# Altium PCB UCL-MB-802154RT-1.PcbDoc (part 3 of 3)
Units mm, origin at the board's own origin, x right, y up, seen from the top; angles counter-clockwise.
Board outline 84 x 112.5 mm, 4 copper layers (Top Layer, GND, VCC, Bottom Layer), stack 1.536 mm thick; 160 components, 166 nets, 807 pads, 398 vias.
Unrouted connection lines stored in the file: 2.
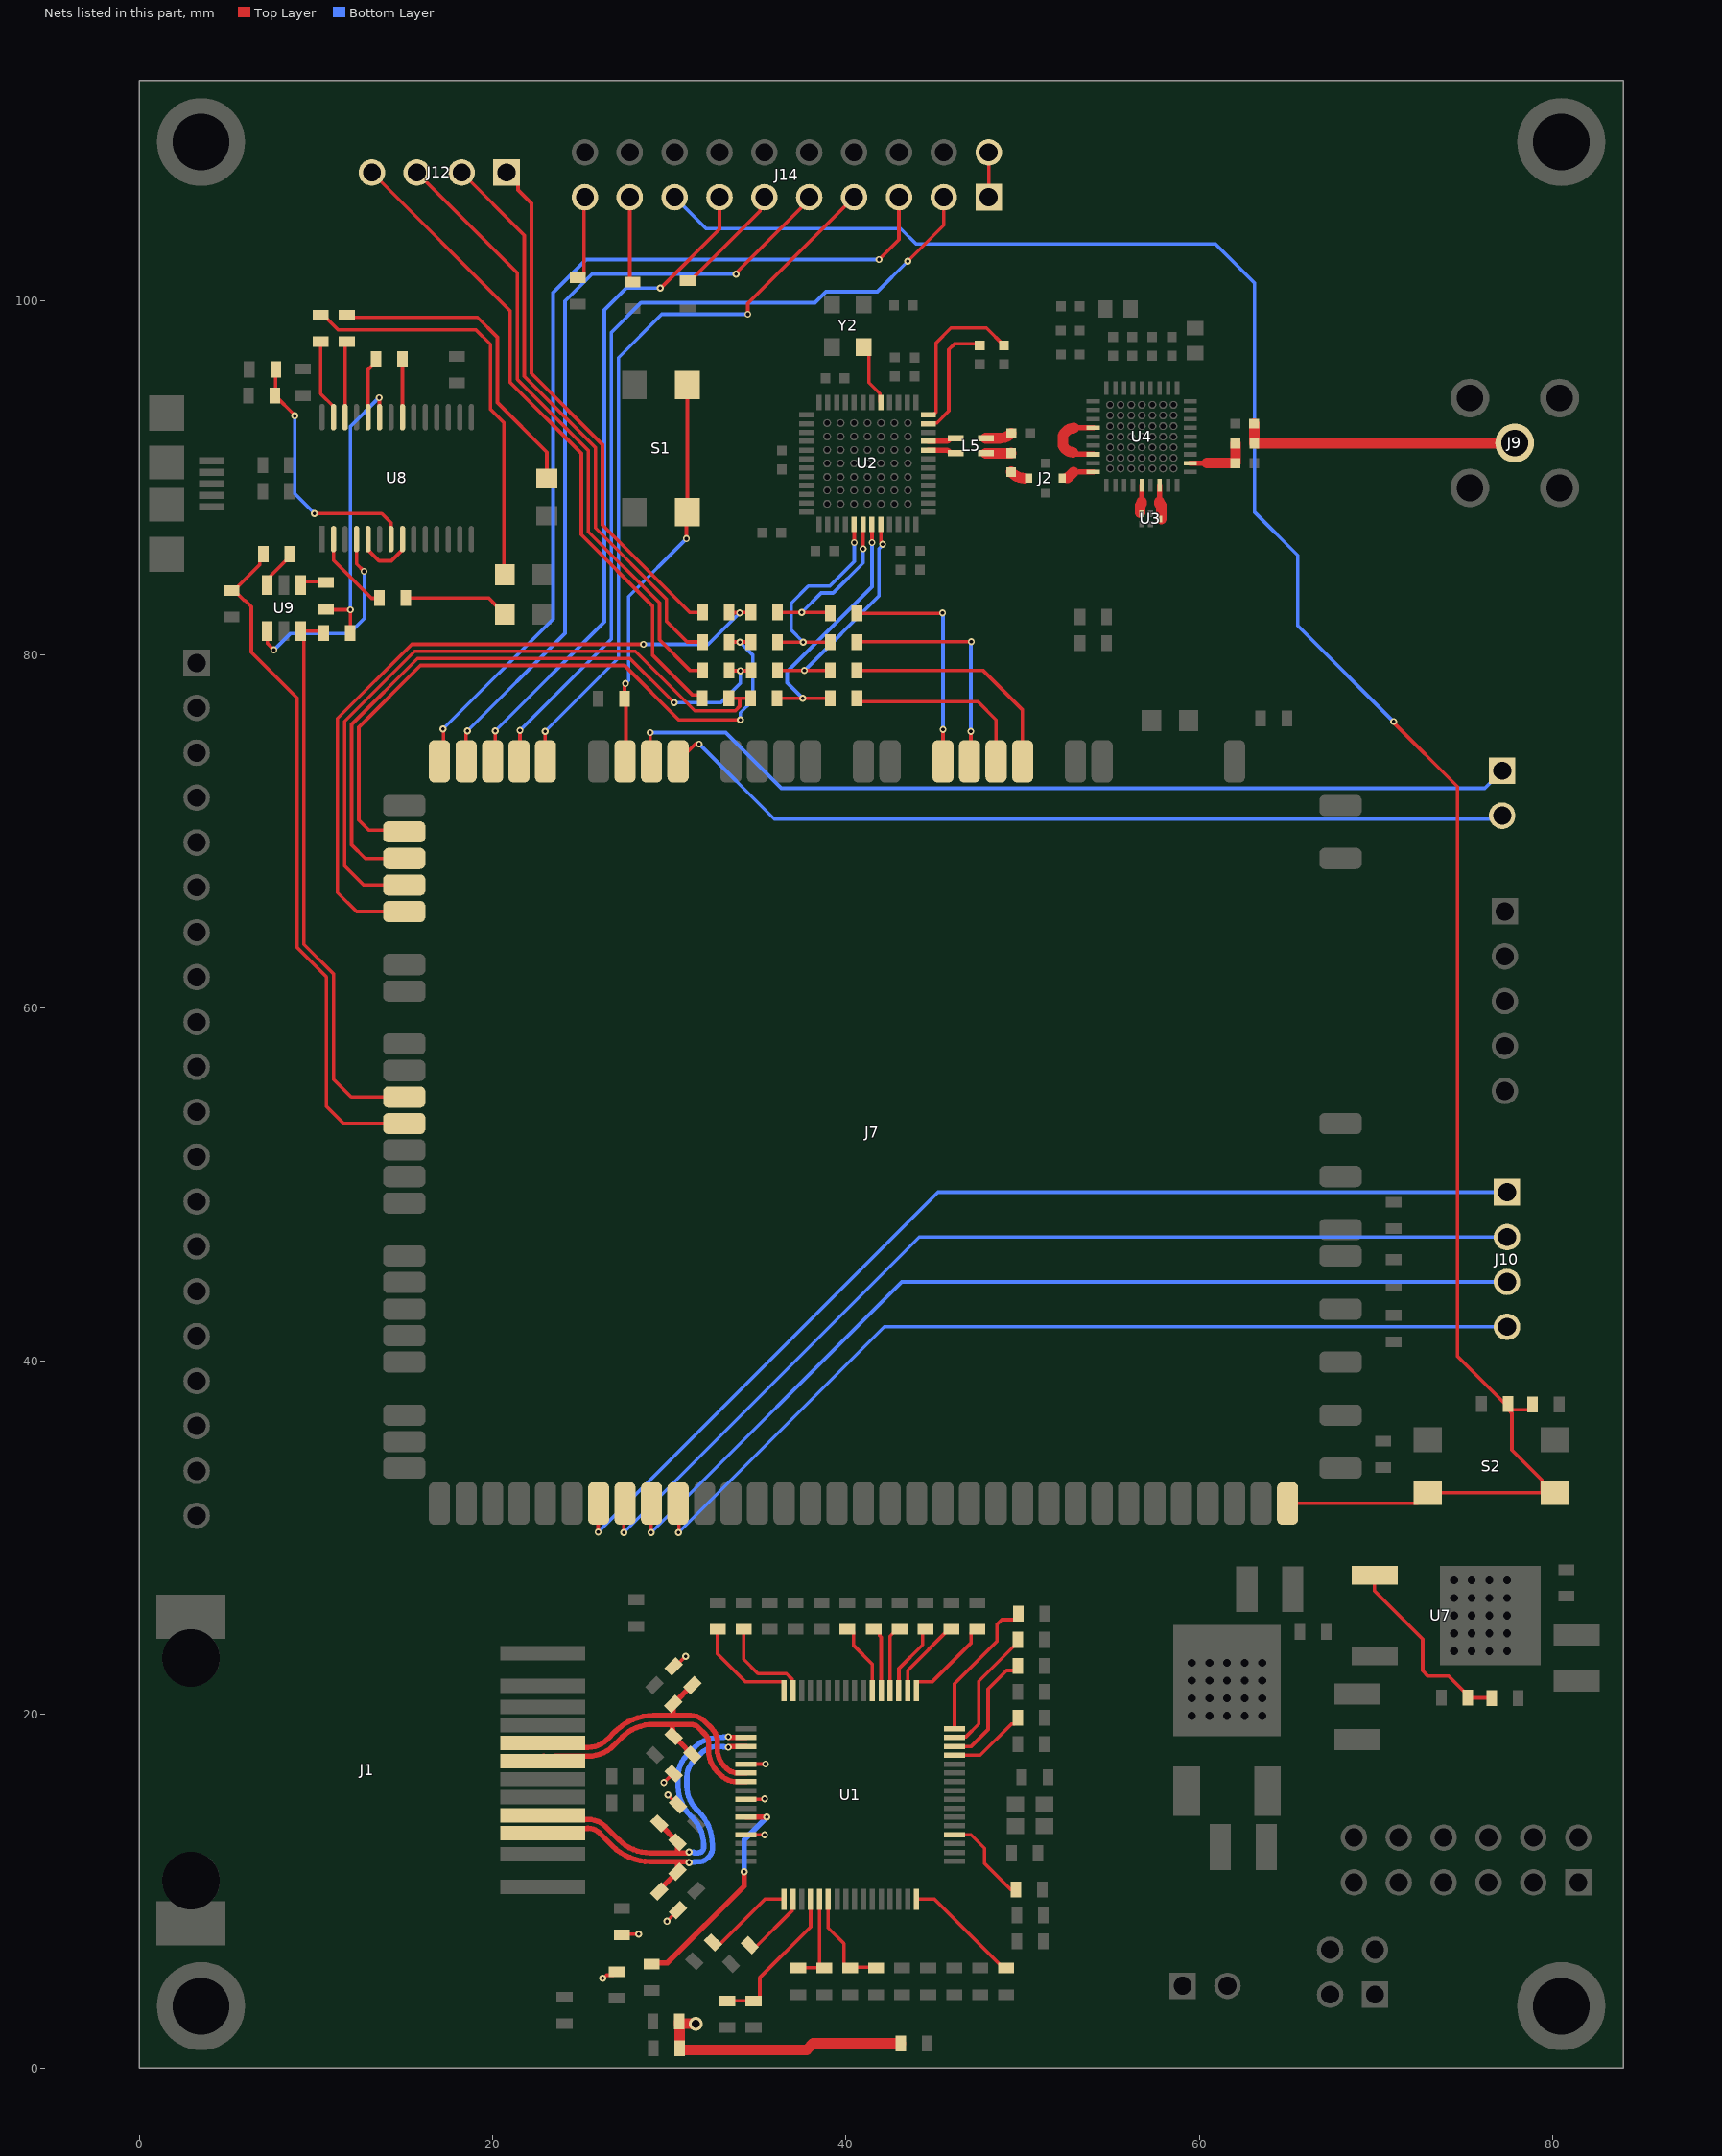
[diagram p5: the nets of this part, all layers, seen from the top]

## Via types
v1: diameter 0.4, hole 0.2, Top Layer to Bottom Layer, 225 vias
v2: diameter 0.55, hole 0.25, Top Layer to Bottom Layer, tented both sides, 133 vias
v3: diameter 0.8, hole 0.45, Top Layer to Bottom Layer, 23 vias
v4: diameter 0.8, hole 0.45, Top Layer to Bottom Layer, tented both sides, 17 vias

## Nets (pads, with @x,y where several pads share a name; then routed paths per layer and width w, separated by ;. In a path a pad name is that pad's centre, name@x,y a point inside that pad or via, vN(x,y) a via of type N, cw(c..) or ccw(c..) an arc to the next point about the centre after c; other vN are vias at no path point) (continued)
NetJ7_18: J7.18 R58.1 R62.1 | length 41.2
  Top Layer w0.2: J7.18@15,65.45 12.3,65.45 11.225,66.525 11.225,76.375 15.425,80.575 v1(28.55,80.575) ; v1(33.985,82.35) 33.41,82.35 R62.1@33.385,82.375 R58.1@34.625,82.375
  Bottom Layer w0.2: v1(28.55,80.575) 32.21,80.575 v1(33.985,82.35)
NetJ7_19: J7.19 R61.1 R65.1 | length 39.2
  Top Layer w0.2: J7.19@15,66.95 12.7,66.95 11.625,68.025 11.625,76.209 15.591,80.175 28.082,80.175 31.443,76.814 33.739,76.814 33.989,77.064 33.989,77.514 ; R65.1@33.375,77.514 33.989,77.514 ; R61.1@34.615,77.514 33.989,77.514
NetJ7_20: J7.20 R60.1 R64.1 | length 37.1
  Top Layer w0.2: J7.20@15,68.45 12.8,68.45 12.025,69.225 12.025,76.044 15.756,79.775 27.775,79.775 v1(30.275,77.275) ; R64.1@33.4,79.084 33.409,79.075 v1(34.025,79.075) 34.631,79.075 R60.1@34.64,79.084
  Bottom Layer w0.2: v1(30.275,77.275) 32.925,77.275 34.025,78.375 v1(34.025,79.075)
NetJ7_21: J7.21 R59.1 R63.1 | length 38.7
  Top Layer w0.2: J7.21@15,69.95 14.175,69.95 14.075,70.05 13,70.05 12.425,70.625 12.425,75.878 15.922,79.375 27.468,79.375 30.543,76.3 v1(34.025,76.3) ; R63.1@33.385,80.705 R59.1@34.625,80.705
  Bottom Layer w0.2: v1(34,80.7) 34.725,79.975 34.725,77.4 34.025,76.7 v1(34.025,76.3)
NetJ7_23: J7.23 J14.5 | length 52.4
  Top Layer w0.2: J7.23@17,73.95 17.225,74.175 17.225,75.75 v1(17.2,75.775) ; v1(41.875,102.35) 43.005,103.48 J14.5@43.005,105.875
  Bottom Layer w0.2: v1(17.2,75.775) 23.425,82 23.425,100.475 25.3,102.35 v1(41.875,102.35)
NetJ7_24: J7.24 J14.9 | length 44.7
  Top Layer w0.2: J7.24@18.5,73.95 18.5,75.6 v1(18.575,75.675) ; v1(33.775,101.525) 33.775,101.579 37.925,105.729 J14.9@37.925,105.875
  Bottom Layer w0.2: v1(18.575,75.675) 24.1,81.2 24.1,100 25.625,101.525 v1(33.775,101.525)
NetJ7_25: J7.25 J14.13 | length 38.5
  Top Layer w0.2: J7.25@20,73.95 20,74.575 20.3,74.875 20.15,75.025 v1(20.15,75.675) ; v1(29.5,100.725) 32.845,104.07 32.845,105.855 32.835,105.865 J14.13@32.845,105.875
  Bottom Layer w0.2: v1(20.15,75.675) 26.325,81.85 26.325,99.5 27.55,100.725 v1(29.5,100.725)
NetJ7_26: J7.26 J14.3 | length 49.4
  Top Layer w0.2: J7.26@21.5,73.95 21.5,74.5 21.55,74.55 v1(21.55,75.7) ; v1(43.5,102.25) 45.545,104.295 J14.3@45.545,105.875
  Bottom Layer w0.2: v1(21.55,75.7) 26.725,80.875 26.725,98.225 28.4,99.9 38.25,99.9 38.875,100.525 41.775,100.525 v1(43.5,102.25)
NetJ7_27: J7.27 J14.7 | length 42
  Top Layer w0.2: v1(22.975,75.65) 22.975,73.975 J7.27@23,73.95 ; v1(34.45,99.25) 34.45,99.86 J14.7@40.465,105.875
  Bottom Layer w0.2: v1(22.975,75.65) 27.125,79.8 27.125,96.8 29.575,99.25 v1(34.45,99.25)
NetJ7_30: J7.30 J8.1 | length 51.6
  Top Layer w0.2: v1(28.925,75.575) 28.925,74.025 J7.30@29,73.95
  Bottom Layer w0.2: v1(28.925,75.575) 33.2,75.575 36.35,72.425 76.16,72.425 J8.1@77.15,73.415
NetJ7_31: J7.31 J8.2 | length 48.9
  Top Layer w0.2: J7.31@30.5,73.95 31.475,74.925 v1(31.7,74.925)
  Bottom Layer w0.2: v1(31.7,74.925) 35.95,70.675 76.95,70.675 J8.2@77.15,70.875
NetJ7_38: J7.38 R51.1 | length 13.3
  Top Layer w0.2: R51.1@40.625,82.325 45.45,82.325 v1(45.475,82.35) ; J7.38@45.5,73.95 v1(45.5,75.75)
  Bottom Layer w0.2: v1(45.475,82.35) 45.5,82.325 v1(45.5,75.75)
NetJ7_39: J7.39 R53.1 | length 13.3
  Top Layer w0.2: R53.1@40.625,80.7 40.65,80.725 v1(47.1,80.725) ; J7.39@47,73.95 47.075,74.025 v1(47.075,75.65)
  Bottom Layer w0.2: v1(47.075,75.65) 47.075,80.7 v1(47.1,80.725)
NetJ7_40: J7.40 R55.1 | length 10.7
  Top Layer w0.2: R55.1@40.625,77.525 40.825,77.325 47.475,77.325 48.5,76.3 J7.40@48.5,73.95
NetJ7_41: J7.41 R54.1 | length 13.2
  Top Layer w0.2: R54.1@40.625,79.1 47.75,79.1 50,76.85 J7.41@50,73.95
NetJ7_78: J7.78 J10.4 | length 53.4
  Top Layer w0.2: J7.78@30.5,31.95 30.55,31.9 30.55,30.325 v1(30.525,30.3)
  Bottom Layer w0.2: v1(30.525,30.3) 42.17,41.945 J10.4@77.425,41.945
NetJ7_79: J7.79 J10.3 | length 56
  Top Layer w0.2: v1(28.975,30.3) 28.975,31.925 J7.79@29,31.95
  Bottom Layer w0.2: v1(28.975,30.3) 43.16,44.485 J10.3@77.425,44.485
NetJ7_80: J7.80 J10.2 | length 58.6
  Top Layer w0.2: v1(27.425,30.3) 27.425,31.6 27.5,31.675 J7.80@27.5,31.95
  Bottom Layer w0.2: v1(27.425,30.3) 44.15,47.025 J10.2@77.425,47.025
NetJ7_81: J7.81 J10.1 | length 61.1
  Top Layer w0.2: v1(25.975,30.325) 25.975,30.875 26.1,31 26,31.1 J7.81@26,31.95
  Bottom Layer w0.2: v1(25.975,30.325) 45.215,49.565 J10.1@77.425,49.565
NetJ12_1: J12.1 R62.2 | length 29.9
  Top Layer w0.2: J12.1@20.79,107.275 21.44,106.625 21.44,106.285 22.2,105.525 22.2,95.897 26.225,91.872 26.225,87.316 31.166,82.375 R62.2@31.885,82.375
NetJ12_2: J12.2 R63.2 | length 32.7
  Top Layer w0.2: J12.2@18.25,107.275 21.8,103.725 21.8,95.731 25.825,91.706 25.825,87.15 29.85,83.125 29.85,81.87 31.016,80.705 R63.2@31.885,80.705
NetJ12_3: J12.3 R64.2 | length 35.3
  Top Layer w0.2: J12.3@15.71,107.275 21.4,101.585 21.4,95.566 25.425,91.541 25.425,86.941 29.45,82.916 29.45,80.825 31.191,79.084 R64.2@31.9,79.084
NetJ12_4: J12.4 R65.2 | length 37.7
  Top Layer w0.2: J12.4@13.17,107.275 21,99.445 21,95.4 25.025,91.375 25.025,86.775 29.05,82.75 29.05,79.975 31.325,77.7 31.689,77.7 R65.2@31.875,77.514
NetJ14_11: J14.11 R66.2 | length 6.6
  Top Layer w0.2: R66.2@31.05,101.15 31.2,101.15 35.136,105.086 35.136,105.626 J14.11@35.385,105.875
NetJ14_17: J14.17 R67.2 | length 4.9
  Top Layer w0.2: J14.17@27.765,105.875 27.765,101.24 R67.2@27.925,101.08
NetJ14_19: J14.19 R68.2 | length 4.8
  Top Layer w0.2: R68.2@24.825,101.325 24.975,101.325 25.175,101.525 25.175,105.825 J14.19@25.225,105.875
NetR6_1: R6.1 U1.1 | length 5.1
  Top Layer w0.2: R6.1@32.475,7.104 32.581,6.998 32.864,6.998 35.416,9.55 U1.1@36.5,9.55
NetR7_2: R7.2 U1.2 | length 3.9
  Top Layer w0.2: R7.2@34.561,6.954 34.643,6.872 34.925,6.872 36.95,8.896 36.95,9.5 U1.2@37,9.55
NetR9_1: R9.1 U1.36 | length 3.8
  Top Layer w0.2: U1.36@42.5,21.35 42.5,24.441 42.884,24.825 R9.1@43.034,24.825
NetR10_1: R10.1 U1.37 | length 3.7
  Top Layer w0.2: R10.1@41.564,24.825 41.714,24.825 41.914,24.625 41.914,24.475 42,24.389 U1.37@42,21.35
NetR11_1: R11.1 U1.16 | length 6.7
  Top Layer w0.2: U1.16@44,9.55 45.017,9.55 48.917,5.65 R11.1@49.067,5.65
NetR12_2: R12.2 U1.34 | length 4.6
  Top Layer w0.2: U1.34@43.5,21.35 43.5,22.501 45.824,24.825 R12.2@45.974,24.825
NetR13_1: R13.1 U1.20 | length 5.3
  Top Layer w0.2: U1.20@46.15,13.2 47.091,13.2 47.85,12.441 47.85,11.575 49.316,10.109 R13.1@49.625,10.109
NetR14_2: R14.2 U1.29 | length 4.5
  Top Layer w0.2: U1.29@46.15,17.7 47.605,17.7 49.375,19.47 49.525,19.47 49.725,19.67 R14.2@49.725,19.82
NetR15_2: R15.2 U1.30 | length 6.8
  Top Layer w0.2: U1.30@46.15,18.2 47.1,18.2 48.05,19.15 48.05,21.45 49.1,22.5 49.525,22.5 49.725,22.7 R15.2@49.725,22.761
NetR16_2: R16.2 U1.31 | length 7.4
  Top Layer w0.2: U1.31@46.15,18.7 46.2,18.75 46.804,18.75 47.525,19.471 47.525,21.881 49.725,24.081 R16.2@49.725,24.231
NetR17_2: R17.2 U1.32 | length 8.4
  Top Layer w0.2: U1.32@46.15,19.2 46.15,21.75 48.55,24.15 48.55,25.1 48.825,25.375 49.55,25.375 49.75,25.575 R17.2@49.75,25.701
NetR18_2: R18.2 U1.33 | length 5.5
  Top Layer w0.2: U1.33@44,21.35 44,21.8 44.05,21.85 44.875,21.85 47.095,24.07 47.095,24.625 47.295,24.825 R18.2@47.445,24.825
NetR19_2: R19.2 U1.35 | length 4.1
  Top Layer w0.2: U1.35@43,21.35 43,22.6 44.35,23.95 44.35,24.671 R19.2@44.504,24.825
NetR25_2: R25.2 U1.38 | length 4.1
  Top Layer w0.2: R25.2@40.093,24.825 40.243,24.825 40.443,24.625 40.443,23.907 41.5,22.85 U1.38@41.5,21.35
NetR29_2: R29.2 U1.48 | length 6.3
  Top Layer w0.2: R29.2@32.742,24.825 32.742,23.433 34.325,21.85 36.45,21.85 36.5,21.8 U1.48@36.5,21.35
NetR30_1: R30.1 R34.2 U1.4 | length 8.6
  Top Layer w0.2: R30.1@33.305,3.8 R34.2@34.775,3.8 34.925,3.8 35.125,4 35.125,5.112 38,7.988 U1.4@38,9.55
NetR31_1: R31.1 R35.2 U1.5 | length 5.2
  Top Layer w0.2: R35.2@37.305,5.675 38.5,5.675 38.6,5.775 38.5,5.875 U1.5@38.5,9.55
NetR32_1: R32.1 R36.2 U1.6 | length 6
  Top Layer w0.2: U1.6@39,9.55 39,7.935 39.895,7.04 39.895,5.875 40.095,5.675 40.245,5.675 40.27,5.7 41.55,5.7 41.575,5.675 R32.1@41.716,5.675
NetR33_2: R33.2 U1.47 | length 5.6
  Top Layer w0.2: R33.2@34.212,24.825 34.212,23.138 35.025,22.325 36.629,22.325 36.95,22.004 36.95,21.85 37,21.8 U1.47@37,21.35
NetR37_2: R37.2 U1.59 | length 12.7
  Top Layer w0.3: R37.2@29,5.875 29.075,5.95 29.9,5.95 34.25,10.3 v1(34.25,11.1) ; U1.59@34.35,14.2 v1(35.525,14.2)
  Bottom Layer w0.3: v1(34.25,11.1) 34.25,12.925 v1(35.525,14.2)
NetR38_1: R38.1 U2.11 | length 6.8
  Top Layer w0.2: U2.11@44.674,93.059 44.724,93.109 45.153,93.109 45.825,93.781 45.825,97.25 46.15,97.575 47.354,97.575 cw(c47.354,97.262) R38.1@47.575,97.483
NetR39_1: R39.1 U2.12 | length 9
  Top Layer w0.2: U2.12@44.674,93.559 44.949,93.559 45.1,93.71 45.1,97.625 45.95,98.475 47.958,98.475 R39.1@48.95,97.483
NetR43_1: R43.1 R78.1 U8.23 | length 16.5
  Top Layer w0.2: R43.1@10.575,82.568 10.618,82.525 v1(11.95,82.525) 11.95,81.225 R78.1@11.938,81.213 ; v1(13.575,94.525) 13.6,94.5 13.6,93.4 U8.23@13.6,93.425
  Bottom Layer w0.2: v1(11.95,82.525) 11.95,92.9 v1(13.575,94.525)
NetR43_2: R43.2 U9.4 | length 1.5
  Top Layer w0.2: U9.4@9.15,83.925 9.35,84.125 10.325,84.125 10.382,84.068 R43.2@10.575,84.068
NetR46_1: R46.1 R47.2 U7.1 | length 11.2
  Top Layer w0.2: U7.1@69.925,27.886 69.925,27 72.65,24.275 72.65,22.475 72.95,22.175 74.125,22.175 75.2,21.1 R47.2@75.2,20.95 76.525,20.95 R46.1@76.55,20.925
NetR69_2: R69.2 R75.2 U8.7 | length 14.6
  Top Layer w0.2: R75.2@7.725,96.13 7.725,94.71 R69.2@7.675,94.66 8.8,93.535 v1(8.8,93.5) ; v1(9.925,87.975) 13.725,87.975 14.25,87.45 U8.7@14.25,86.525
  Bottom Layer w0.2: v1(8.8,93.5) 8.8,89.1 v1(9.925,87.975)
NetR70_1: R70.1 U8.27 | length 4.6
  Top Layer w0.2: R70.1@10.28,97.7 10.275,97.695 10.275,94.75 11,94.025 U8.27@11,93.425
NetR72_1: R72.1 U8.26 | length 4.3
  Top Layer w0.2: U8.26@11.65,93.425 11.65,97.6 R72.1@11.75,97.7
NetR74_1: R74.1 U8.2 | length 4.7
  Top Layer w0.2: U8.2@11,86.525 11,85.325 13.15,83.175 13.575,83.175 R74.1@13.6,83.2
NetR77_1: R77.1 U9.6 | length 2.3
  Top Layer w0.2: U9.6@7.25,83.925 7.45,84.125 7.45,84.45 8.525,85.525 R77.1@8.525,85.675
NetR80_1: R80.1 U8.21 | length 3.3
  Top Layer w0.2: U8.21@14.9,93.425 R80.1@14.9,96.7
NetR80_2: R80.2 U8.24 | length 3.5
  Top Layer w0.2: U8.24@12.95,93.425 12.95,96.1 13.4,96.55 R80.2@13.4,96.7
NetU2_17: U2.17 Y2.3 | length 3.6
  Top Layer w0.2: Y2.3@41.011,97.402 41.299,97.114 41.299,95.384 41.924,94.759 41.924,94.309 U2.17@41.974,94.259
  Top Layer w0.3: Y2.3@41.011,97.352 Y2.3@41.011,97.402
NetU8_4: U8.4 U9.1 | length 11.8
  Top Layer w0.2: U9.1@7.25,81.325 7.25,80.625 v1(7.625,80.25) ; U8.4@12.3,86.525 12.3,85.125 v1(12.725,84.7)
  Bottom Layer w0.2: v1(7.625,80.25) 8.55,81.175 11.875,81.175 12.75,82.05 12.75,84.675 v1(12.725,84.7)
NetU8_5: U8.5 U8.8 | length 3.7
  Top Layer w0.2: U8.5@12.95,86.525 12.95,85.925 13.575,85.3 14.275,85.3 14.9,85.925 U8.8@14.9,86.525
NRST: C44.2 J7.55 J14.15 R52.1 S2.3 S2.4 | length 127.6
  Top Layer w0.2: J7.55@65.025,31.925 J7.55@65,31.95 72.325,31.95 S2.4@72.925,32.55 S2.3@79.5,32.55 ; v1(71,76.2) 71,76.15 74.625,72.525 74.625,40.275 77.5,37.4 R52.1@77.5,37.25 ; C44.2@78.925,37.225 78.9,37.25 R52.1@77.5,37.25 ; S2.3@80,32.05 S2.3@79.5,32.55 ; S2.3@80.125,32.55 S2.3@79.5,32.55 ; R52.1@77.5,37.25 77.7,37.05 77.7,34.975 79.4,33.275 79.4,32.65 S2.3@79.5,32.55
  Bottom Layer w0.2: J14.15@30.305,105.875 32.08,104.1 43.1,104.1 43.975,103.225 60.925,103.225 63.125,101.025 63.125,88.062 65.575,85.612 65.575,81.625 v1(71,76.2)
RF50_0: C23.2 L5.3 | length 1.5
  Top Layer w0.6: L5.3@47.924,92.234 48.702,92.234 ccw(c48.702,93.173) C23.2@49.366,92.509
RF50_1: C21.1 L5.2 | length 1.4
  Top Layer w0.6: L5.2@47.924,91.384 49.341,91.384 C21.1@49.349,91.392
RF50_2: C21.2 J2.1 | length 0.9
  Top Layer w0.6: C21.2@49.358,90.334 C21.2@49.349,90.325 49.398,90.276 ccw(c50.125,91.003) 50.125,89.975
RF50_4: J2.2 U4.9 | length 1.3
  Top Layer w0.3: 53.225,90.325 U4.9@54,90.325
  Top Layer w0.6: 52.5,90 ccw(c52.5,90.145) 52.602,90.042 52.885,90.325
RF50_5: U4.4 U4.7 | length 4
  Top Layer w0.3: 53.05,91.334 ccw(c53.168,92.093) 53.168,91.325 U4.7@54,91.325 ; 53.05,92.825 U4.4@54,92.825
  Top Layer w0.6: 52.869,91.429 cw(c52.943,92.193) 52.4,91.65 cw(c52.702,91.952) 52.275,91.952 52.275,92.3 cw(c52.577,92.3) 52.363,92.513 52.5,92.65 cw(c52.862,92.288) 52.862,92.8 cw(c52.922,92.74) 52.922,92.825
RF50_6: U3.1 U4.16 | length 2
  Top Layer w0.3: 57.75,88.637 U4.16@57.75,89.575
  Top Layer w0.6: 57.75,88.637 57.75,88.537 57.85,88.437 U3.1@57.85,87.662
RF50_7: U3.4 U4.14 | length 1.6
  Top Layer w0.3: 56.75,88.637 U4.14@56.75,89.575
  Top Layer w0.6: U3.4@56.65,88.012 56.65,88.437 56.75,88.537 56.75,88.637
RF50_8: R40.1 R41.2 U4.20 | length 3.7
  Top Layer w0.3: U4.20@59.5,90.825 60.425,90.825
  Top Layer w0.6: 60.425,90.825 R41.2@62.05,90.825 R40.1@62.05,91.942
RF50_9: J9.1 R40.2 R42.2 | length 15.8
  Top Layer w0.6: R42.2@63.109,93.059 63.109,91.95 R40.2@63.117,91.942 75.272,91.942 ; 75.327,91.94 J9.1@77.86,91.94
RF_N: L5.4 U2.9 | length 1.6
  Top Layer w0.3: U2.9@44.674,92.059 45.65,92.059 ccw(c45.65,92.358) 45.862,92.146 cw(c46.073,91.935) 46.073,92.234 L5.4@46.224,92.234
RF_P: L5.1 U2.8 | length 1.6
  Top Layer w0.3: U2.8@44.674,91.559 45.65,91.559 cw(c45.65,91.26) 45.862,91.471 ccw(c46.073,91.683) 46.073,91.384 L5.1@46.224,91.384
RX_LED: D1.1 R70.2 | length 23.7
  Top Layer w0.2: R70.2@10.28,99.2 10.43,99.2 11.255,98.375 19.05,98.375 19.875,97.55 19.875,93.875 20.65,93.1 20.65,84.55 D1.1@20.7,84.5
RX_N: C5.2 J1.8 R5.1 U1.54 | length 16.5
  Top Layer w0.3: J1.8@22.895,18.145 22.895,18.405 ccw(c23.511,19.021) 23.511,18.15 25.401,18.15 25.406,18.145 ccw(c25.406,19.688) 26.497,18.597 26.962,19.062 cw(c29.105,16.92) 29.105,19.95 30.154,19.95 ; R5.1@31.305,21.662 ccw(c31.305,21.604) 31.264,21.645 C5.2@30.225,20.606 30.225,20.123 cw(c29.98,20.123) 30.154,19.95 ; U1.54@34.35,16.7 33.854,16.7 cw(c33.854,17.554) 33.25,16.95 33.113,17.087 cw(c34.048,18.023) 32.725,18.023 32.725,18.442 ccw(c31.62,18.442) 32.401,19.224 32.01,19.615 ccw(c31.202,18.808) 31.202,19.95 30.154,19.95
RX_P: C4.2 J1.7 R4.1 U1.55 | length 16.4
  Top Layer w0.3: J1.7@22.895,17.645 22.895,17.385 cw(c23.511,16.769) 23.511,17.64 25.401,17.64 25.406,17.645 25.408,17.645 ccw(c25.408,19.682) 26.849,18.242 27.313,18.706 cw(c29.109,16.91) 29.109,19.45 30.155,19.45 ; R4.1@31.305,17.723 30.562,18.466 cw(c31.546,19.45) 30.255,18.93 cw(c31.546,19.45) 30.155,19.45 ; 32.727,16.766 cw(c33.937,17.977) 32.225,17.977 32.225,18.44 ccw(c31.615,18.44) 32.046,18.871 31.657,19.261 ccw(c31.2,18.803) 31.2,19.45 30.155,19.45 ; 32.759,16.734 32.899,16.594 ccw(c33.85,17.545) 33.85,16.2 U1.55@34.35,16.2
SPI_AT86_CSN: R51.2 R58.2 U2.42 | length 9.9
  Top Layer w0.2: R58.2@36.125,82.375 v1(37.5,82.375) 39.075,82.375 R51.2@39.125,82.325 ; U2.42@40.974,87.359 U2.42@40.974,87.359 v1(40.975,85.975)
  Bottom Layer w0.2: v1(37.5,82.375) 37.5,82.4 37.525,82.4 38.6,83.475 39.275,83.475 40.975,85.175 v1(40.975,85.975)
SPI_AT86_MISO: R54.2 R60.2 U2.44 | length 13.2
  Top Layer w0.2: R60.2@36.14,79.084 v1(37.65,79.084) 39.109,79.084 R54.2@39.125,79.1 ; U2.44@41.974,87.359 41.974,86.386 42.077,86.283 v1(42.077,86.229)
  Bottom Layer w0.2: v1@37.65,79.15 v1(37.65,79.084) 41.877,83.312 41.877,85.975 42.077,86.175 v1(42.077,86.229)
SPI_AT86_MOSI: R55.2 R61.2 U2.43 | length 15.2
  Top Layer w0.2: R61.2@36.115,77.514 36.126,77.525 v1(37.55,77.525) R55.2@39.125,77.525 ; U2.43@41.474,87.359 41.476,87.357 41.476,86.331 v1(41.477,86.329)
  Bottom Layer w0.2: v1@37.55,77.5 v1(37.55,77.525) 36.675,78.4 36.675,79.025 41.477,83.827 v1(41.477,86.329)
SPI_AT86_SCK: R53.2 R59.2 U2.41 | length 12.1
  Top Layer w0.2: R59.2@36.125,80.705 36.13,80.7 v1(37.587,80.7) R53.2@39.125,80.7 ; v1(40.475,86.325) U2.41@40.474,87.359
  Bottom Layer w0.2: v1(37.587,80.7) 37.58,80.7 36.9,81.38 36.9,82.9 37.875,83.875 39.09,83.875 40.475,85.26 v1(40.475,86.325)
TX_LED: D3.1 R74.2 | length 6.5
  Top Layer w0.2: R74.2@15.1,83.2 19.775,83.2 20.2,82.775 20.25,82.775 20.7,82.325 D3.1@20.7,82.275 D3.1@20.35,82.625
TX_N: C3.2 J1.4 R3.1 U1.50 | length 21.2
  Top Layer w0.3: J1.4@22.895,14.325 ccw(c23.511,14.941) 23.511,14.07 25.401,14.07 25.406,14.065 25.408,14.065 cw(c25.408,12.654) 26.405,13.652 27.138,12.919 ccw(c28.934,14.715) 28.934,12.175 30.45,12.175 ; R3.1@29.437,13.837 30.438,12.837 cw(c30.378,12.778) C3.2@30.462,12.778 30.462,12.205 cw(c30.42,12.205) 30.45,12.175 ; v1(31.125,12.225) cw(c31.004,12.346) 31.004,12.175 30.45,12.175 ; v1(33.35,18.75) ccw(c33.471,18.871) 33.471,18.7 U1.50@34.35,18.7
  Bottom Layer w0.3: 31.371,12.206 cw(c31.371,12.153) 31.408,12.19 ccw(c31.445,12.228) 31.445,12.175 31.65,12.175 ccw(c31.65,12.475) 31.862,12.263 ccw(c31.65,12.475) 31.95,12.475 31.95,12.606 ccw(c29.731,12.606) 31.3,14.175 31.206,14.269 cw(c32.91,15.973) 30.5,15.973 30.5,16.474 cw(c32.269,16.474) 31.018,17.725 31.443,18.15 cw(c32.771,16.821) 32.771,18.7 33.03,18.7 ccw(c33.03,18.753) 33.067,18.715 cw(c33.104,18.678) 33.104,18.731 33.304,18.731 ccw(c33.304,18.796) v1(33.35,18.75)
TX_P: C2.2 J1.3 R2.1 U1.51 | length 21.5
  Top Layer w0.3: J1.3@22.895,13.305 cw(c23.511,12.689) 23.511,13.56 25.401,13.56 25.406,13.565 cw(c25.406,12.649) 26.053,13.297 26.786,12.564 ccw(c28.932,14.709) 28.932,11.675 30.5,11.675 ; R2.1@29.437,9.998 cw(c29.618,9.998) 29.49,10.126 C2.2@30.462,11.098 30.462,11.584 cw(c30.591,11.584) 30.5,11.675 ; v1(31.125,11.625) ccw(c31.004,11.504) 31.004,11.675 30.5,11.675 ; v1(33.35,18.15) cw(c33.471,18.029) 33.471,18.2 U1.51@34.35,18.2
  Bottom Layer w0.3: v1(31.125,11.625) cw(c31.171,11.579) 31.171,11.644 31.371,11.644 ccw(c31.371,11.697) 31.408,11.66 cw(c31.445,11.622) 31.445,11.675 31.652,11.675 ccw(c31.652,12.471) 32.214,11.908 32.218,11.912 ccw(c31.658,12.472) 32.45,12.472 32.45,12.611 ccw(c29.744,12.611) 31.657,14.525 31.561,14.621 cw(c32.914,15.975) 31,15.975 31,16.47 cw(c32.28,16.47) 31.375,17.375 31.793,17.793 cw(c32.775,16.812) 32.775,18.2 33.03,18.2 cw(c33.03,18.147) 33.067,18.185 ccw(c33.104,18.222) 33.104,18.169 33.304,18.169 cw(c33.304,18.104) v1(33.35,18.15)
U\S\R\_\B\T\N\: J7.29 R48.1 S1.3 S1.4 | length 23
  Top Layer w0.2: J7.29@27.5,73.95 27.5,74.525 27.275,74.75 27.55,75.025 27.55,77.425 R48.1@27.475,77.5 27.475,78.3 v1(27.525,78.35) ; v1(30.975,86.55) 30.975,88 S1.4@31.025,88.05 S1.3@31.025,95.25
  Bottom Layer w0.2: v1(27.525,78.35) 27.7,78.525 27.7,83.275 v1(30.975,86.55)
"USART2_ RX": J7.12 R77.2 R79.2 | length 39.1
  Top Layer w0.2: R79.2@5.225,83.625 R79.2@5.375,83.625 ; R77.2@7.025,85.675 6.825,85.475 6.825,85.075 R79.2@5.375,83.625 ; J7.12@15,53.45 11.575,53.45 10.6,54.425 10.6,61.75 8.925,63.425 8.925,77.55 6.35,80.125 6.35,82.7 5.988,83.062 5.938,83.062 R79.2@5.375,83.625
"USART2_ TX": J7.13 R78.2 U9.3 | length 32.1
  Top Layer w0.2: R78.2@10.613,81.388 R78.2@10.438,81.213 10.325,81.325 U9.3@9.15,81.325 9.325,81.15 9.325,63.591 11,61.916 11,55.95 12,54.95 J7.13@15,54.95
VCC_JTAG: J14.1 J14.2 | length 2.5
  Top Layer w0.2: J14.1@48.085,105.875 J14.2@48.085,108.415
VCFG_LED: D2.1 R72.2 | length 18.4
  Top Layer w0.2: R72.2@11.9,99.2 R72.2@11.75,99.2 11.875,99.075 19.15,99.075 20.275,97.95 20.275,94.25 23.075,91.45 D2.1@23.075,89.95
VDD_ETH: C1.2 C12.2 C13.2 L1.1 R1.1 R2.2 R3.2 R4.2 R5.2 U1.53 U1.57 U1.61 | length 23.8
  Top Layer w0.2: v1(26.226,5.075) 26.28,5.075 26.455,5.25 26.825,5.25 C1.2@27.025,5.45 ; R1.1@27.325,7.525 27.375,7.575 v1(28.275,7.575) ; v1(29.7,16.15) 30.212,16.662 R4.2@30.245,16.662 ; v1(29.875,8.3) 29.875,8.307 30.498,8.93 R2.2@30.498,8.937 R2.2@30.498,8.998 ; v1(29.925,15.45) 30.477,14.898 R3.2@30.498,14.898 ; R5.2@30.245,22.723 30.348,22.723 v1(30.925,23.3) ; U1.61@34.35,13.2 34.45,13.2 v1(35.4,13.2) ; U1.57@34.35,15.2 35.375,15.2 v1(35.4,15.225) ; U1.53@34.35,17.2 v1(35.45,17.2)
  Top Layer w0.6: C13.2@30.575,2.625 C13.2@30.575,2.5 ; v3(31.5,2.5) C13.2@30.575,2.5 ; L1.1@43.1,1.375 43.1,1.4 38.15,1.4 37.775,1.025 30.6,1.025 C12.2@30.6,1.125 30.6,2.45 30.575,2.475 C13.2@30.575,2.5
  Bottom Layer w0.2: v1@26.225,5.125 26.225,5.077 v1(26.226,5.075)
pads on no net: J1.0 J1.9 J4.11 J4.12 J16.0 J16.4 M1.0 M2.0 M7.0 M8.0 U1.3 U1.8 U1.11 U1.12 U1.18 U1.21 U1.56 U1.64 U2.1 U2.2 U2.4 U2.5 U2.22 U2.25 U2.26 U2.27 U2.28 U2.30 U2.31 U2.33 U2.34 U2.35 U2.36 U4.18 U8.3 U8.6 U8.9 U8.10 U8.11 U8.12 U8.17 U8.18 U8.19 U8.20 U8.25
copper on no net: | length 15.4
  Top Layer w0.2: v1(1.525,95.4) 1.5,95.375 1.5,93.71 1.55,93.66 1.55,90.86 1.55,88.46 1.667,88.343 1.667,87.992 1.55,87.875 1.55,85.66
  Top Layer w0.6: 2.93,8.185 2.93,8.205 3,8.275 6.125,8.275 v3(6.15,8.25) ; 2.93,25.525 2.975,25.57 v3(2.975,27.725)

## Polygon pours and split planes (outlines as drawn)
GND on Top Layer "Top Layer-GND 1" (solid, pour order 120): 83,111.5 83,77.5 53,77.5 47,83.5 33,83.5 33,97 38,102 47.5,102 51,105.5 51,111.5
GND on Top Layer "Top Layer-GND" (solid, pour order 122): 83.5,0.5 55,0.5 55,26.5 61.5,26.5 66.275,31.275 83.5,31.275
GND on Top Layer "Top Layer-GND 2" (solid, pour order 114): 33,83
GND on Top Layer "Top Layer-GND 3" (solid, pour order 110): 68.575,92.875
no net on Top Layer "Top Layer-GND 4" (solid, pour order 106): 64.622,92.574
no net on Top Layer "Top Layer-No Net" (solid, pour order 104): 58.665,94.518
no net on Top Layer "Top Layer-No Net 2" (solid, pour order 102): 58.69,94.793
no net on Top Layer "Top Layer-No Net 1" (solid, pour order 84): 150.895,129.565
no net on Top Layer "Top Layer-No Net 1" (solid, pour order 16): 50.221,75.831
GND on Top Solder (solid): 64,93.5 74.25,93.5 74.25,90.5 64,90.5
GND on Top Solder (solid): 64,93.5
GND on Top Solder (solid): 63.75,93.45
+2V on Bottom Layer "Bottom Layer-+2V" (solid, pour order 136): 72.5,30.5 70,28 70,16 71,15 81.5,15 82.5,16 82.5,29 81,30.5
3V3 on Bottom Layer "Bottom Layer-3V3" (solid, pour order 134): 63,30 58.5,25.5 58.5,19.5 54,15 54,7.5 55,6.5 64,6.5 65,7.5 65,21 65,29.5 64.5,30
no net on Bottom Layer "Bottom Layer-No Net" (solid, pour order 130): 63,29
3V3 on Bottom Solder (solid): 82.5,29 81,30.5 72.5,30.5 70,28 70,16 71,15 81.5,15 82.5,16
3V3 on Bottom Solder (solid): 64.5,30 63,30 58.5,25.5 58.5,19.5 54,15 54,7.5 55,6.5 64,6.5 65,7.5 65,29.5
GND on GND (split plane): 83.999,0.001 0.001,0.001 0.001,112.499 83.999,112.499
VDD_ETH on VCC (split plane): 36.248,19.396 36.248,13.004 31.822,8.578 31.782,8.526 31.756,8.465 31.748,8.4 31.748,0.51 25.752,0.51 25.752,20.5 25.752,20.896 29.604,24.748 30.896,24.748
+5V on VCC (split plane): 7.248,79.396 7.248,49.604 5.396,47.752 2.5,47.752 2.435,47.744 2.374,47.718 2.322,47.678 1.822,47.178 1.782,47.126 1.756,47.065 1.748,47 1.748,46 1.756,45.935 1.782,45.874 1.822,45.822 2.322,45.322 2.374,45.282 2.41,45.267 1.822,44.678 1.782,44.626 1.756,44.565 1.748,44.5 1.748,41 1.756,40.935 1.782,40.874 1.822,40.822 2.322,40.322 2.374,40.282 2.435,40.256 2.5,40.248 4.396,40.248 4.822,39.822 8.822,35.822 8.874,35.782 8.935,35.756 9,35.748 12.396,35.748 13.822,34.322 13.874,34.282 13.935,34.256 14,34.248 50.396,34.248 55.222,29.422 57.822,26.822 58.322,26.322 58.374,26.282 58.435,26.256 58.5,26.248 63.396,26.248 63.822,25.822 63.844,25.804 63.874,25.782 63.935,25.756 64,25.748 68,25.748 69.396,25.748 69.748,25.396 69.748,25 69.748,23.604 68.896,22.752 55.804,22.752 52.278,26.278 49.753,28.803 49.701,28.843 49.64,28.869 49.575,28.877 33.125,28.877 33.06,28.869 32.999,28.843 32.947,28.803 29.322,25.178 25.322,21.178 25.282,21.126 25.256,21.065 25.248,21 25.248,20.5 25.248,0.51 0.51,0.51 0.51,82.248 4.396,82.248
+2V on VCC (split plane): 7.248,43.396 7.248,42.5 7.256,42.435 7.282,42.374 7.322,42.322 9.322,40.322 9.374,40.282 9.435,40.256 9.5,40.248 9.75,40.248 51.896,40.248 60.822,31.322 63.322,28.822 63.351,28.799 63.374,28.782 63.392,28.774 63.435,28.756 63.5,28.748 67.896,28.748 68.748,27.896 68.748,27.104 67.896,26.252 64.104,26.252 63.678,26.678 63.626,26.718 63.565,26.744 63.5,26.752 58.604,26.752 58.178,27.178 55.578,29.778 50.678,34.678 50.626,34.718 50.565,34.744 50.5,34.752 14.104,34.752 12.678,36.178 12.626,36.218 12.565,36.244 12.5,36.252 9.104,36.252 5.178,40.178 4.678,40.678 4.626,40.718 4.565,40.744 4.5,40.752 2.604,40.752 2.252,41.104 2.252,44.396 3.104,45.248 5.396,45.248
+2V_MCU on VCC (split plane): 73.748,69.896 73.748,65.5 73.748,41.5 73.756,41.435 73.782,41.374 73.822,41.322 74.822,40.322 77.248,37.896 77.248,24.5 77.248,12.604 76.896,12.252 75.604,12.252 75.252,12.604 75.252,19 75.244,19.065 75.218,19.126 75.178,19.178 71.678,22.678 71.626,22.718 71.565,22.744 71.5,22.752 69.609,22.752 70.178,23.322 70.196,23.344 70.218,23.374 70.244,23.435 70.252,23.5 70.252,25 70.252,25.5 70.244,25.565 70.218,25.626 70.178,25.678 69.678,26.178 69.626,26.218 69.565,26.244 69.5,26.252 68.609,26.252 69.178,26.822 69.218,26.874 69.244,26.935 69.252,27 69.252,28 69.244,28.065 69.218,28.126 69.178,28.178 68.59,28.767 68.626,28.782 68.678,28.822 70.178,30.322 70.218,30.374 70.244,30.435 70.252,30.5 70.252,31.5 70.252,32.5 70.244,32.565 70.218,32.626 70.178,32.678 68.678,34.178 68.626,34.218 68.565,34.244 68.5,34.252 66.104,34.252 49.752,50.604 49.752,68.5 49.744,68.565 49.718,68.626 49.678,68.678 48.678,69.678 48.626,69.718 48.565,69.744 48.5,69.752 26.104,69.752 25.252,70.604 25.252,78 25.252,78.396 26.604,79.748 48.5,79.748 48.565,79.756 48.626,79.782 48.678,79.822 49.678,80.822 51.604,82.748 60.896,82.748
3V3 on VCC (split plane): 51.748,105.604 49.396,103.252 43.5,103.252 43.435,103.244 43.374,103.218 43.322,103.178 38.822,98.678 34.822,94.678 34.782,94.626 34.756,94.565 34.748,94.5 34.748,94 34.748,86 34.756,85.935 34.782,85.874 34.822,85.822 40.391,80.252 26.5,80.252 26.435,80.244 26.374,80.218 26.322,80.178 24.822,78.678 24.782,78.626 24.756,78.565 24.748,78.5 24.748,78 24.748,70.5 24.756,70.435 24.782,70.374 24.822,70.322 25.822,69.322 25.844,69.304 25.874,69.282 25.935,69.256 26,69.248 48.396,69.248 49.248,68.396 49.248,50.5 49.256,50.435 49.282,50.374 49.322,50.322 65.822,33.822 65.844,33.804 65.874,33.782 65.935,33.756 66,33.748 68.396,33.748 69.748,32.396 69.748,31.5 69.748,30.604 68.396,29.252 63.604,29.252 61.178,31.678 52.178,40.678 52.126,40.718 52.065,40.744 52,40.752 10,40.752 9.604,40.752 7.752,42.604 7.752,43.5 7.744,43.565 7.726,43.608 7.718,43.626 7.701,43.649 7.678,43.678 5.678,45.678 5.626,45.718 5.565,45.744 5.5,45.752 2.604,45.752 2.252,46.104 2.252,46.896 2.604,47.248 5.5,47.248 5.565,47.256 5.626,47.282 5.678,47.322 7.678,49.322 7.701,49.351 7.718,49.374 7.726,49.392 7.744,49.435 7.752,49.5 7.752,79.5 7.744,79.565 7.718,79.626 7.678,79.678 4.678,82.678 4.626,82.718 4.565,82.744 4.5,82.752 0.51,82.752 0.51,111.99 51.748,111.99
3V3_ETH on VCC (split plane): 72.248,17.396 72.248,12.604 71.896,12.252 70.604,12.252 70.252,12.604 70.252,14 70.244,14.065 70.218,14.126 70.196,14.156 70.178,14.178 69.178,15.178 69.126,15.218 69.065,15.244 69,15.252 67,15.252 66.935,15.244 66.874,15.218 66.822,15.178 62.822,11.178 55.522,3.878 52.154,0.51 42.252,0.51 42.252,6.396 42.604,6.748 44.396,6.748 45.248,5.896 45.248,2.5 45.256,2.435 45.282,2.374 45.322,2.322 45.822,1.822 45.874,1.782 45.935,1.756 46,1.748 49,1.748 49.065,1.756 49.126,1.782 49.178,1.822 51.178,3.822 51.218,3.874 51.244,3.935 51.252,4 51.252,4.396 56.178,9.322 60.104,13.248 61.375,13.248 61.44,13.256 61.501,13.282 61.553,13.322 62.953,14.722 65.979,17.748 71.896,17.748
+5V on VCC (split plane): 69.748,13.896 69.748,12.5 69.756,12.435 69.782,12.374 69.822,12.322 70.322,11.822 70.344,11.804 70.374,11.782 70.435,11.756 70.5,11.748 72,11.748 72.065,11.756 72.126,11.782 72.178,11.822 72.5,12.143 72.822,11.822 72.851,11.799 72.874,11.782 72.892,11.774 72.935,11.756 73,11.748 74.5,11.748 74.565,11.756 74.626,11.782 74.678,11.822 75,12.143 75.322,11.822 75.374,11.782 75.435,11.756 75.5,11.748 77,11.748 77.065,11.756 77.126,11.782 77.178,11.822 77.5,12.143 77.822,11.822 77.874,11.782 77.935,11.756 78,11.748 79.5,11.748 79.565,11.756 79.626,11.782 79.678,11.822 80,12.143 80.322,11.822 80.344,11.804 80.374,11.782 80.435,11.756 80.5,11.748 83.49,11.748 83.49,0.51 52.867,0.51 55.878,3.522 63.178,10.822 67.104,14.748 68.896,14.748
+2V_ETH on VCC (split plane): 51.922,25.922 55.522,22.322 55.544,22.304 55.574,22.282 55.635,22.256 55.7,22.248 71.396,22.248 74.748,18.896 74.748,12.604 74.396,12.252 73.104,12.252 72.752,12.604 72.752,17.5 72.744,17.565 72.718,17.626 72.678,17.678 72.178,18.178 72.126,18.218 72.065,18.244 72,18.252 65.875,18.252 65.81,18.244 65.749,18.218 65.697,18.178 62.597,15.078 61.271,13.752 60,13.752 59.935,13.744 59.874,13.718 59.822,13.678 55.822,9.678 50.822,4.678 50.782,4.626 50.756,4.565 50.748,4.5 50.748,4.104 48.896,2.252 46.104,2.252 45.752,2.604 45.752,6 45.744,6.065 45.718,6.126 45.696,6.156 45.678,6.178 44.678,7.178 44.626,7.218 44.565,7.244 44.5,7.252 42.5,7.252 42.435,7.244 42.374,7.218 42.344,7.196 42.322,7.178 41.822,6.678 41.782,6.626 41.756,6.565 41.748,6.5 41.748,0.51 32.252,0.51 32.252,8.296 36.678,12.722 36.718,12.774 36.744,12.835 36.752,12.9 36.752,19.5 36.744,19.565 36.718,19.626 36.696,19.656 36.678,19.678 31.178,25.178 31.126,25.218 31.065,25.244 31,25.252 30.109,25.252 33.229,28.373 49.471,28.373
GND on VCC (split plane): 59.998,94.292 59.998,89.5 60.007,89.402 60.036,89.308 60.082,89.221 60.145,89.145 61.037,88.252 52.463,88.252 53.355,89.145 53.418,89.221 53.464,89.308 53.493,89.402 53.502,89.5 53.502,94.292 54.208,94.998 59.292,94.998
+2V_AT86 on VCC (split plane): 41.248,97.396 41.248,94 41.248,89.5 41.248,88.604 40.322,87.678 40.282,87.626 40.256,87.565 40.248,87.5 40.248,86 40.256,85.935 40.282,85.874 40.322,85.822 41.322,84.822 41.344,84.804 41.374,84.782 41.435,84.756 41.5,84.748 46,84.748 46.065,84.756 46.126,84.782 46.178,84.822 49.104,87.748 51.068,87.748 51.082,87.721 51.145,87.645 51.221,87.582 51.308,87.536 51.402,87.507 51.5,87.498 51.598,87.507 51.692,87.536 51.779,87.582 51.855,87.645 51.958,87.748 61.542,87.748 61.645,87.645 61.721,87.582 61.808,87.536 61.902,87.507 62,87.498 62.098,87.507 62.192,87.536 62.279,87.582 62.355,87.645 62.418,87.721 62.432,87.748 70.396,87.748 72.322,85.822 79.748,78.396 79.748,69.5 79.748,55.5 79.748,40.5 79.748,24.5 79.748,12.604 79.396,12.252 78.104,12.252 77.752,12.604 77.752,24.5 77.752,38 77.744,38.065 77.726,38.108 77.718,38.126 77.701,38.149 77.678,38.178 75.178,40.678 74.252,41.604 74.252,65.5 74.252,70 74.244,70.065 74.226,70.108 74.218,70.126 74.201,70.149 74.178,70.178 61.178,83.178 61.126,83.218 61.065,83.244 61,83.252 51.5,83.252 51.435,83.244 51.374,83.218 51.322,83.178 49.322,81.178 48.396,80.252 41.104,80.252 35.252,86.104 35.252,94 35.252,94.396 39.104,98.248 40.396,98.248
3V3_AT86 on VCC (split plane): 83.49,12.252 80.604,12.252 80.252,12.604 80.252,24.5 80.252,40.5 80.252,55.5 80.252,69.5 80.252,78.5 80.244,78.565 80.226,78.608 80.218,78.626 80.201,78.649 80.178,78.678 72.678,86.178 70.678,88.178 70.626,88.218 70.565,88.244 70.5,88.252 62.432,88.252 62.418,88.279 62.355,88.355 61.002,89.708 61.002,94.5 60.993,94.598 60.964,94.692 60.918,94.779 60.855,94.855 59.855,95.855 59.779,95.918 59.692,95.964 59.598,95.993 59.5,96.002 54,96.002 53.902,95.993 53.808,95.964 53.721,95.918 53.645,95.855 52.645,94.855 52.582,94.779 52.536,94.692 52.507,94.598 52.498,94.5 52.498,89.708 51.145,88.355 51.082,88.279 51.068,88.252 49,88.252 48.935,88.244 48.874,88.218 48.844,88.196 48.822,88.178 45.896,85.252 41.604,85.252 40.752,86.104 40.752,87.396 41.678,88.322 41.696,88.344 41.718,88.374 41.744,88.435 41.752,88.5 41.752,94 41.752,97.5 41.744,97.565 41.718,97.626 41.696,97.656 41.678,97.678 40.678,98.678 40.626,98.718 40.565,98.744 40.5,98.752 39.609,98.752 43.604,102.748 49.5,102.748 49.565,102.756 49.626,102.782 49.678,102.822 52.178,105.322 52.201,105.351 52.218,105.374 52.226,105.392 52.244,105.435 52.252,105.5 52.252,111.99 83.49,111.99

## Other copper
Top Layer:
  region: 59.09,94.968
VCC (plane layer: these items are gaps in the copper):
  lines w0.5: -1.5,82.5 4.5,82.5 7.5,79.5 7.5,49.5 5.5,47.5 2.5,47.5 2,47 2,46 2.5,45.5 5.5,45.5 7.5,43.5 7.5,42.5 9.5,40.5 10,40.5 ; 9.75,40.5 52,40.5 61,31.5 63.5,29 68.5,29 70,30.5 70,31.5 70,32.5 68.5,34 66,34 49.5,50.5 49.5,68.5 48.5,69.5 27.5,69.5 26,69.5 25,70.5 25,78 25,78.5 26.5,80 48,80 48.5,80 49.5,81 51.5,83 56.5,83 61,83 74,70 74,65.5 74,41.5 75,40.5 77.5,38 77.5,24.5 77.5,12.5 ; 25.5,-1.5 25.5,20.5 25.5,21 29.5,25 ; 32,-1.5 32,8.4 36.5,12.9 36.5,19.5 31,25 29.5,25 ; 41.5,80 41,80 35,86 35,94 35,94.5 39,98.5 ; 41.5,89.5 41.5,97.5 40.5,98.5 39,98.5 ; 41.5,94 41.5,88.5 40.5,87.5 40.5,86 41.5,85 46,85 49,88 55.5,88 70.5,88 72.5,86 80,78.5 80,69.5 80,55.5 80,40.5 80,24.5 80,12.5 ; 42,0 42,6.5 42.5,7 44.5,7 45.5,6 45.5,2.5 46,2 47,2 49,2 51,4 51,4.5 56,9.5 60,13.5 61.375,13.5 62.775,14.9 65.875,18 68.5,18 72,18 72.5,17.5 72.5,12.5 ; 52,113.5 52,105.5 49.5,103 47.5,103 43.5,103 39,98.5 ; 52.05,0.05 55.7,3.7 63,11 67,15 69,15 70,14 70,12.5 70.5,12 72,12 72.5,12.5 ; 68,29 69,28 ; 69,22.5 70,23.5 70,25 70,25.5 69.5,26 68,26 ; 74,25 75,24 ; 87,12 80.5,12 80,12.5 ; 3,45.5 3,45.5 ; 3,45.5 2,44.5 2,41 2.5,40.5 3,40.5 4.5,40.5 5,40 9,36 11,36 12.5,36 14,34.5 37,34.5 50.5,34.5 55.4,29.6 58,27 ; 29.5,25 33.125,28.625 49.575,28.625 52.1,26.1 55.7,22.5 71.5,22.5 75,19 75,12.5 ; 58,27 58.5,26.5 59,26.5 61,26.5 63.5,26.5 64,26 68,26 ; 58,27 58,27 ; 68,26 68,26 ; 68,26 68,26 ; 68,26 69,27 69,28 ; 69,28 69,28 ; 72.5,12.5 72.5,12.5 ; 72.5,12.5 73,12 74.5,12 ; 72.5,12.5 72.5,12.5 ; 74.5,12 74.5,12 ; 74.5,12 75,12.5 ; 75,12.5 75,12.5 ; 75,12.5 75.5,12 77,12 ; 77,12 77,12 ; 77,12 77.5,12.5 ; 77.5,12.5 77.5,12.5 ; 77.5,12.5 78,12 79.5,12 ; 79.5,12 79.5,12 ; 79.5,12 80,12.5
  lines w1: 51.5,88 53,89.5 53,94.5 54,95.5 55.5,95.5 59.5,95.5 60.5,94.5 60.5,89.5 62,88

## Silkscreen, mask and mechanical layers (free items; w line width, h text height)
Top Overlay:
  text "JTAG" at 44.45,110.4 h0.8
  text "SPI3" at 19,109.225 h0.8
  text "2" at 49.825,108.175 h0.8
  text "20" at 22.5,107.925 h0.8
  text "UCL-MB-802154RT-1" at 54.775,107.85 h1.2
  text "Yann Charbon - HEIG-VD" at 54.725,106.4 h0.8
  text "1" at 49.875,105.575 h0.8
  text "19" at 22.575,105.45 h0.8
  text "VCFG" at 21.575,86.625 h1.2 r90
  text "USER" at 26.5,84.8 h1.52
  text "RX" at 16.475,83.775 h1.2
  text "TX" at 16.525,81.45 h1.2
  text "Status" at 57.675,77.65 h0.8
  text "I2C3" at 75.5,71.05 h0.8 r90
  text "USART6" at 75.575,58.25 h0.8 r90
  text "SPI5" at 75.575,44.7 h0.8 r90
  text "RESET" at 83.05,31.175 h1.52 r90
  text "2V_ETH" at 74.275,15.2 h0.6 r90
  text "2V_MCU" at 76.525,15.075 h0.6 r90
  text "3V3_ETH" at 71.65,15.05 h0.6 r90
  text "2V_AT86" at 79.2,15.05 h0.6 r90
  text "3V3_AT86" at 81.725,14.975 h0.6 r90
  text "+5V_EXT" at 60.375,8.45 h0.6
  text "5V source" at 71.85,5.45 h0.6
  text "+5V" at 56.975,1 h0.6
  text "GND" at 62.025,1 h0.6
  text "EXT" at 67.575,0.775 h0.6 r90
  text "USB" at 70.275,0.65 h0.6 r90

## Text inside footprints (layer, text, board x,y; h text height)
J8: Top Overlay "SDA" at 79.055,72.78 h1.1; Top Overlay "SCL" at 79.055,70.24 h1.1
J10: Top Overlay "MISO" at 79.33,41.31 h1.1; Top Overlay "MOSI" at 79.33,43.85 h1.1; Top Overlay "SCK" at 79.33,46.39 h1.1; Top Overlay "NSS" at 79.33,48.93 h1.1
J12: Top Overlay "MISO" at 12.535,105.37 h1.1 r270; Top Overlay "MOSI" at 15.075,105.37 h1.1 r270; Top Overlay "SCK" at 17.615,105.37 h1.1 r270; Top Overlay "NSS" at 20.155,105.37 h1.1 r270
J13: Top Overlay "CTS" at 79.205,54.66 h1.1; Top Overlay "RTS" at 79.205,57.2 h1.1; Top Overlay "TX" at 79.205,59.74 h1.1; Top Overlay "RX" at 79.205,62.28 h1.1; Top Overlay "CK" at 79.205,64.82 h1.1
J15: Top Overlay "GND" at 5.79,30.62 h1.1; Top Overlay "GND" at 5.79,33.16 h1.1; Top Overlay "GND" at 5.79,35.7 h1.1; Top Overlay "+5V" at 5.79,38.24 h1.1; Top Overlay "3V3" at 5.79,40.78 h1.1; Top Overlay "+2V" at 5.79,43.32 h1.1; Top Overlay "+2V" at 5.79,45.86 h1.1; Top Overlay "GPIO17" at 5.79,48.4 h1.1; Top Overlay "GPIO16" at 5.79,50.94 h1.1; Top Overlay "GPIO13" at 5.79,53.48 h1.1; Top Overlay "GPIO12" at 5.79,56.02 h1.1; Top Overlay "GPIO11" at 5.79,58.56 h1.1; Top Overlay "GPIO10" at 5.79,61.1 h1.1; Top Overlay "GPIO9" at 5.79,63.64 h1.1; Top Overlay "GPIO8" at 5.79,66.18 h1.1; Top Overlay "GPIO7" at 5.79,68.72 h1.1; Top Overlay "GPIO4" at 5.79,71.26 h1.1; Top Overlay "GPIO3" at 5.79,73.8 h1.1; Top Overlay "GPIO2" at 5.79,76.34 h1.1; Top Overlay "GPIO1" at 5.79,78.88 h1.1
J16: Mechanical 13 "PCB Edge" at -0.991,91.566 h0.67 r270